# Altium PCB Booster_Main_Board.PcbDoc (part 1 of 13)
Units mm, origin at the board's own origin, x right, y up, seen from the top; angles counter-clockwise.
Board outline 400.01 x 117.51 mm, 4 copper layers (Component Side, Signal Layer 1, Power Plane, Solder Side), stack 1.604 mm thick; 1091 components, 573 nets, 3133 pads, 1954 vias.
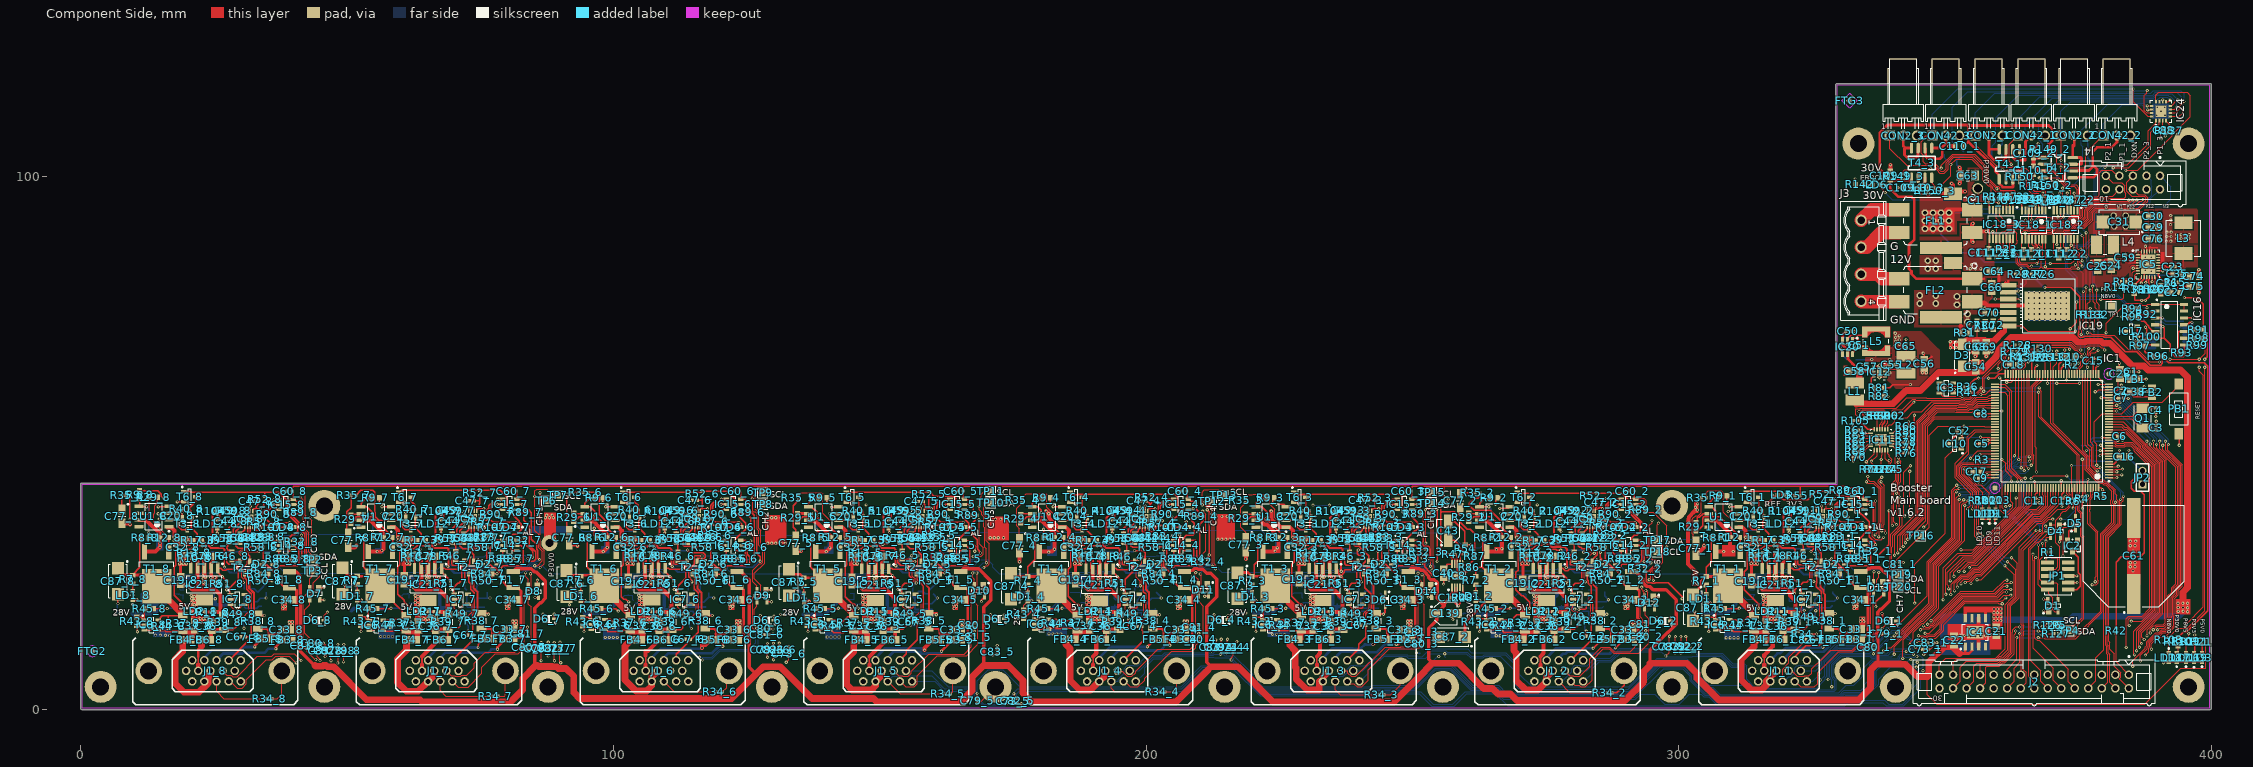
[diagram p0: Component Side view]
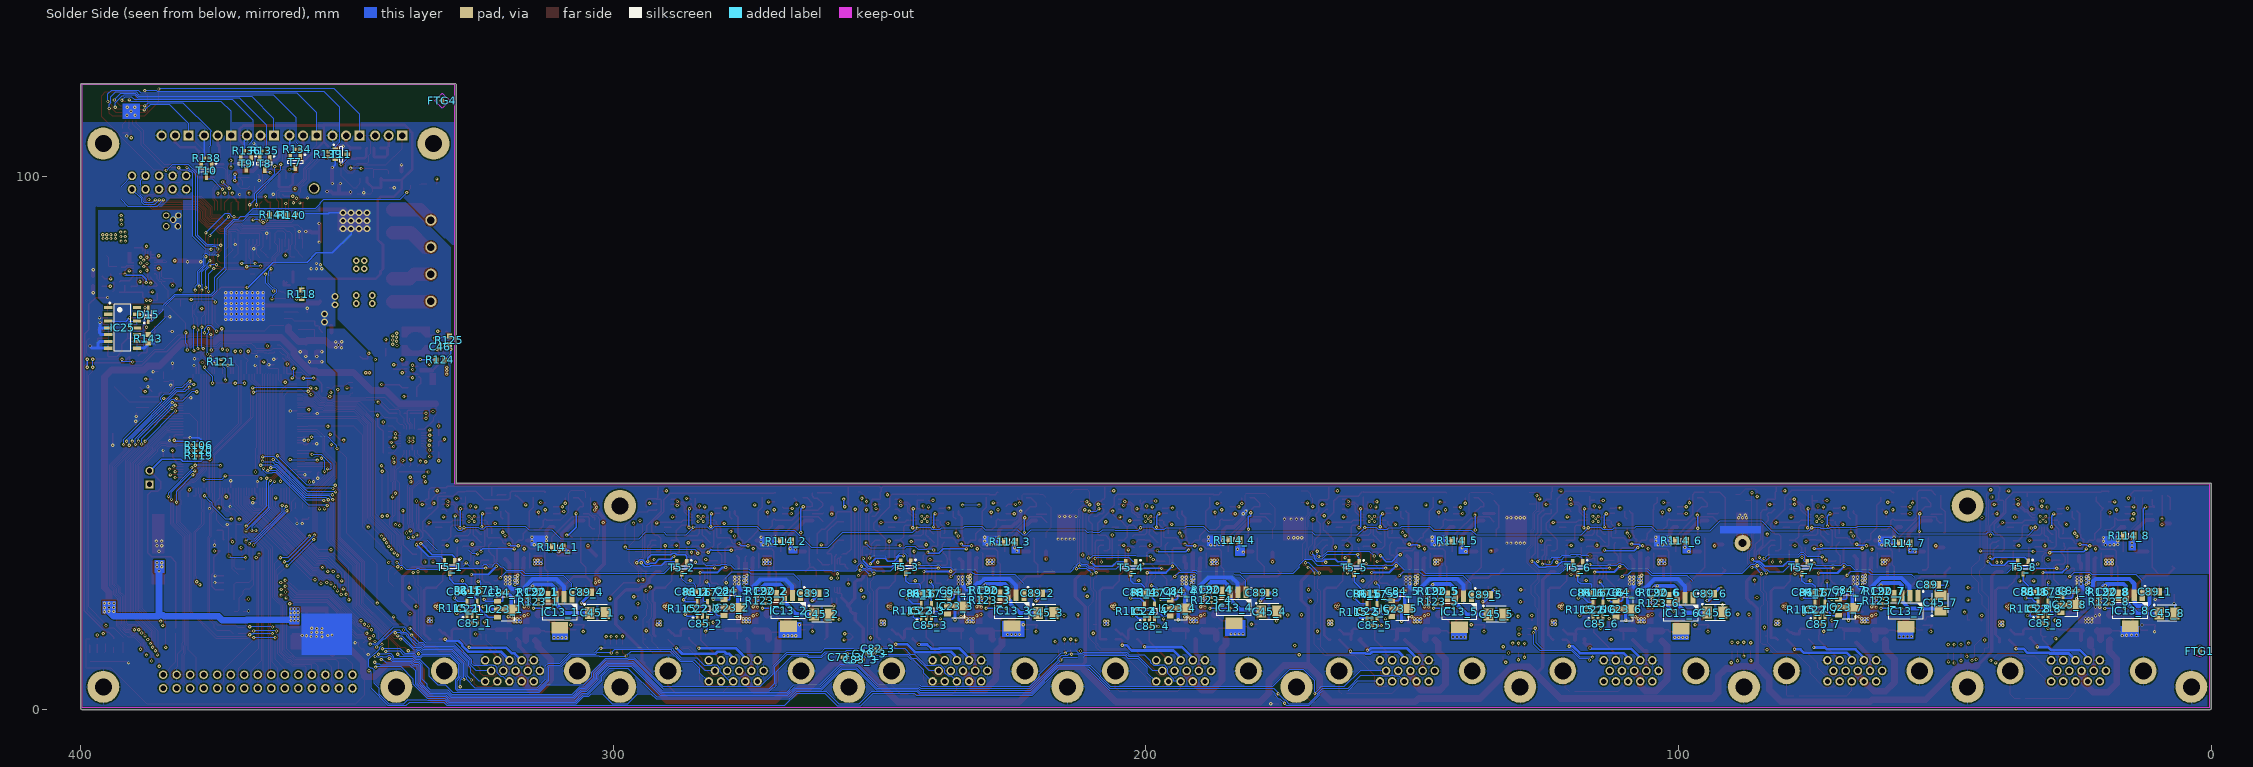
[diagram p1: Solder Side view, seen from below]
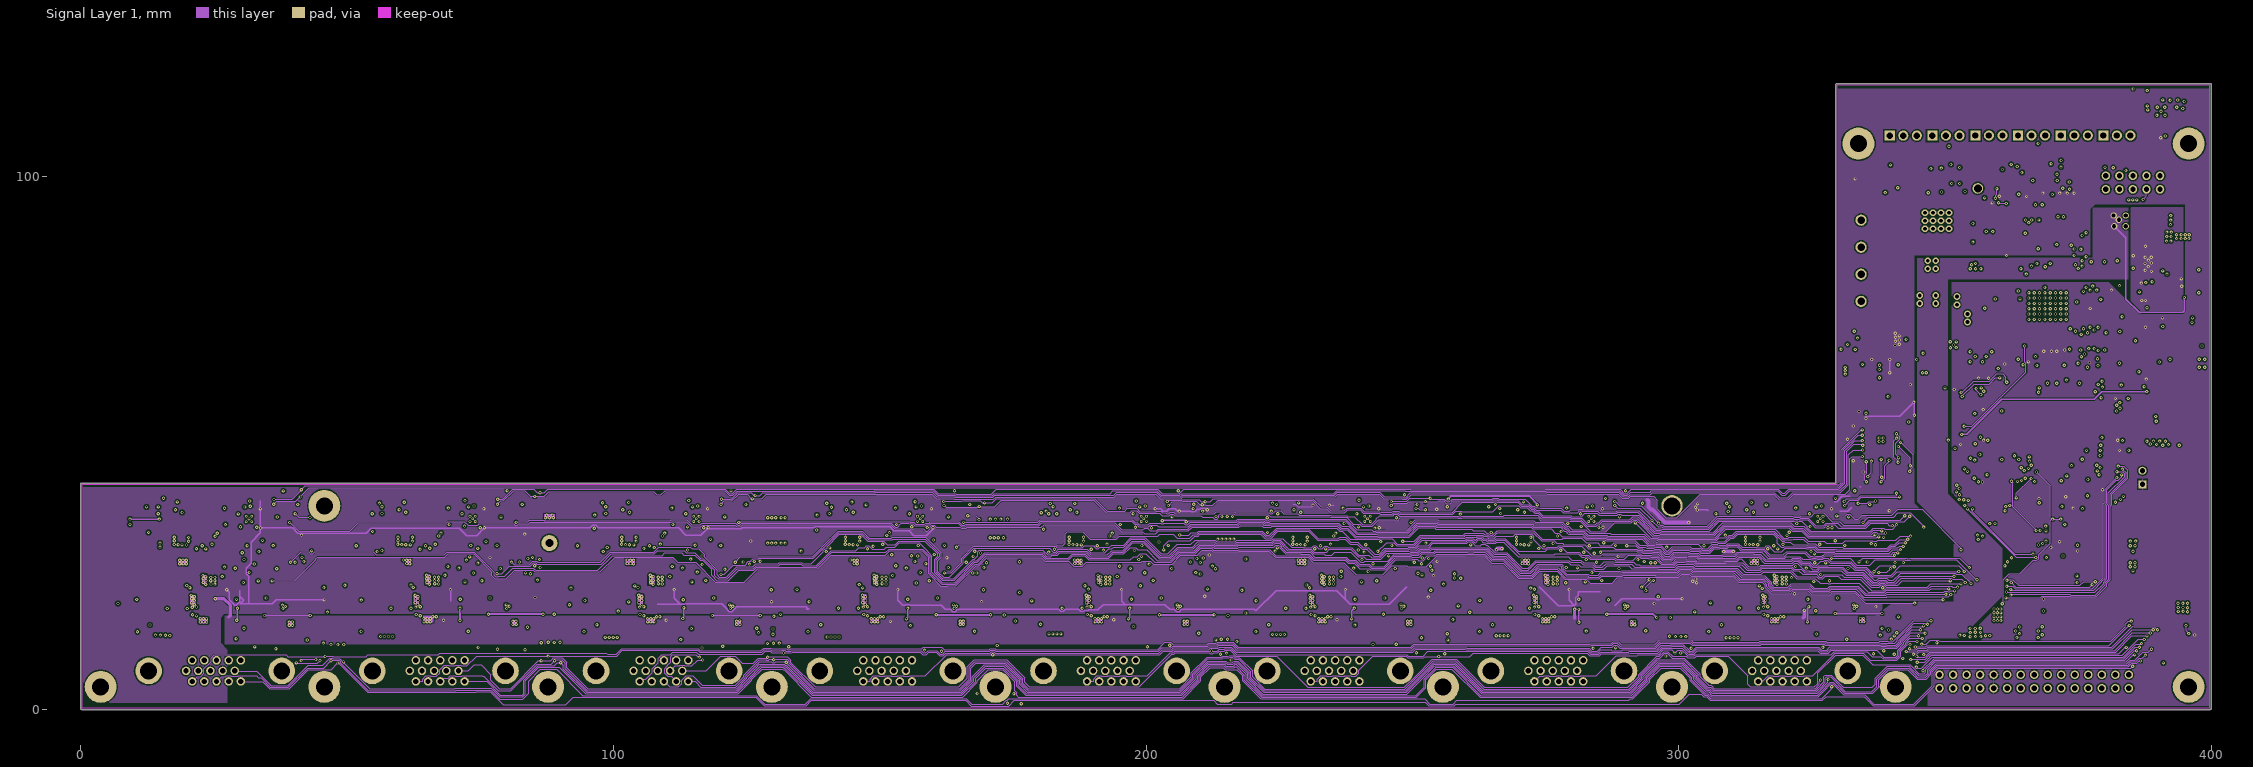
[diagram p2: Signal Layer 1]
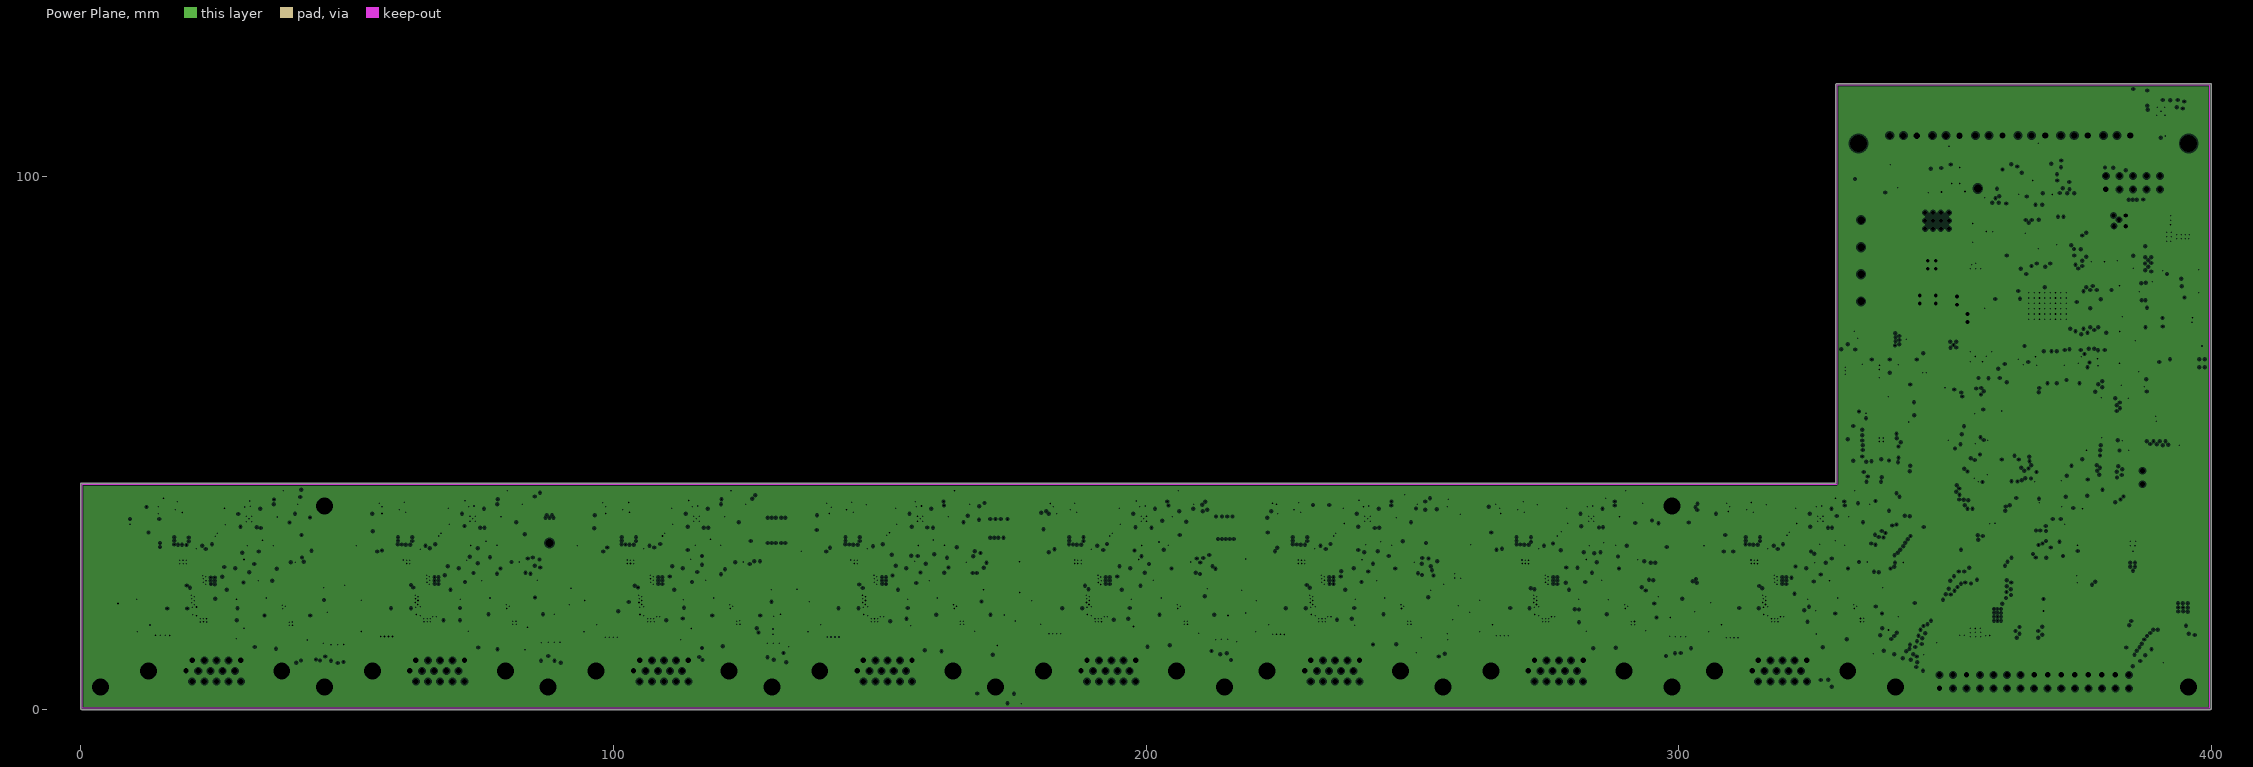
[diagram p3: Power Plane, clearances drawn from the general rule]
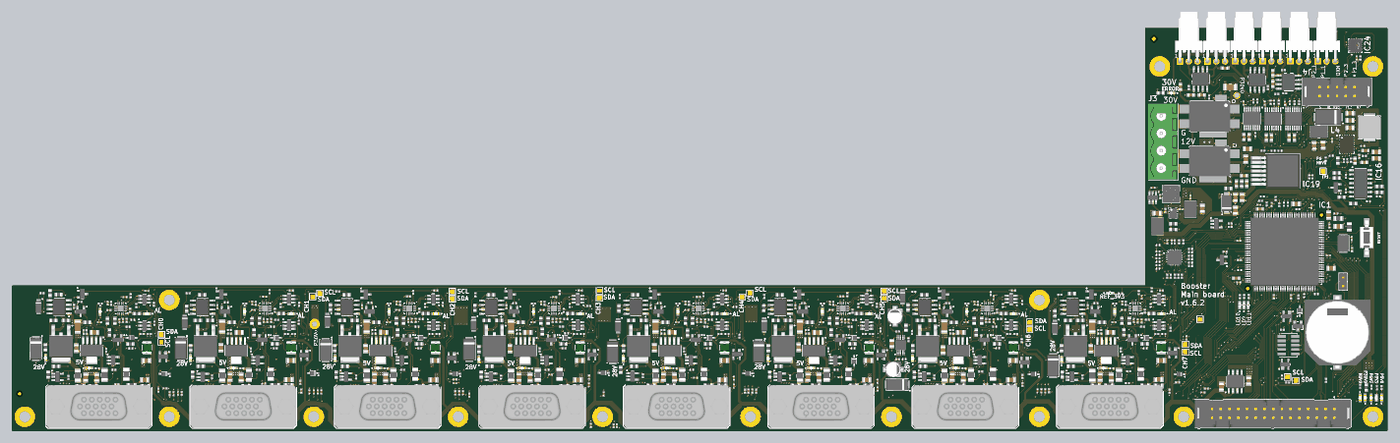
[diagram p16: 3D render of the assembled board from above, using the file's embedded part models]
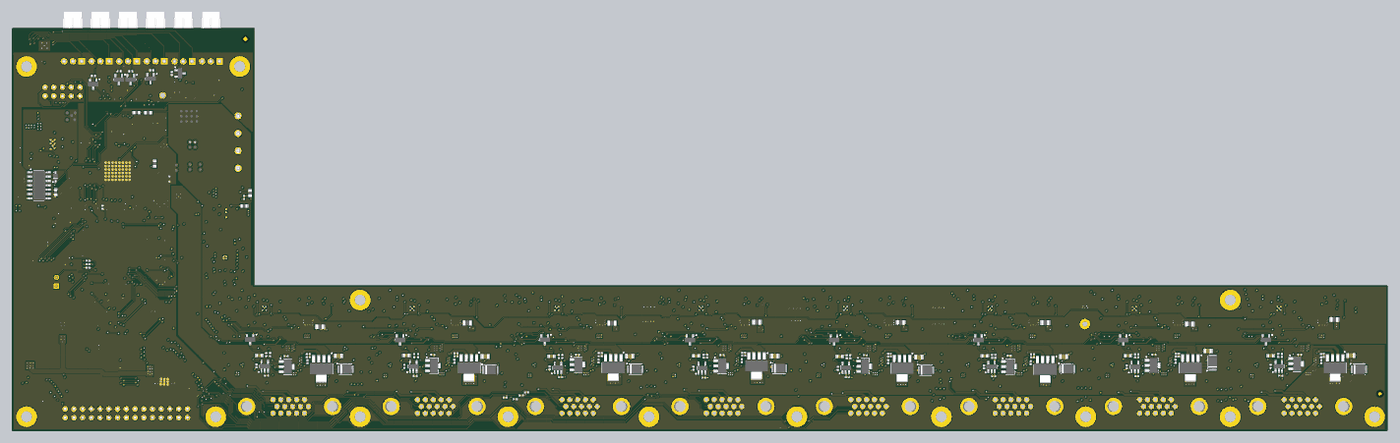
[diagram p17: 3D render of the assembled board from below, using the file's embedded part models]

## Layer stack, top to bottom
Top Solder: solder mask 0.01, Solder Resist, Dk 3.5
Component Side: signal copper 0.056
Dielectric 1: core 0.36, FR-4, Dk 4.8
Signal Layer 1: signal copper 0.036
Dielectric 5: prepreg 0.7, Dk 4.2
Power Plane: plane copper 0.036, net GND
Dielectric 4: core 0.36, Dk 4.2
Solder Side: signal copper 0.056
Bottom Solder: solder mask 0.0102, Solder Resist, Dk 3.5

## Board outline
0.228,0 cw(c0.228,0.254) -0.026,0.254 -0.026,42.254 cw(c0.228,42.254) 0.228,42.508 329.499,42.508 329.499,117.143 cw(c329.728,117.254) 329.728,117.508 399.728,117.508 cw(c399.728,117.254) 399.983,117.254 399.983,0.254 cw(c399.728,0.254) 399.728,0

## Design rules (kind name [scope] priority, off if disabled: settings)
AcuteAngle [All] p1: minimum=6.00000000000000E+0001 checktracksonly=FALSE
Clearance [All] p1: gap=0.152 ignorepadtopadclearanceinfootprint=FALSE except(0.254: SMDPad-Poly THPad-Poly Via-Poly Fill-Poly Poly-Poly Poly-Region Poly-Text Poly-Hole)
ComponentClearance [All] p1: gap=0 collisioncheckmode=3 verticalgap=0 showdistances=FALSE
DiffPairsRouting [All] p1: maxlimit=0.254 minlimit=0.127 mostfreqgap=0.127 toplayer_minwidth=0.127 toplayer_maxwidth=0.381 toplayer_prefwidth=0.254 midlayer1_minwidth=0.127 midlayer1_maxwidth=0.381 midlayer1_prefwidth=0.254 bottomlayer_minwidth=0.127 bottomlayer_maxwidth=0.381 bottomlayer_prefwidth=0.254 maxuncoupledlength=12.7
FabricationTestPointUsage TestPointUsage [All] p1: valid=0 allowmultiple=FALSE
FabricationTestpoint Testpoint [All] p1: side=3 testpointundercomponent=TRUE minsize=1.016 maxsize=2.54 preferedsize=1.524 minholesize=0.508 maxholesize=1.016 preferedholesize=0.813 testpointgrid=0.025 allowsidetop=TRUE allowsidebottom=TRUE usegrid=TRUE gridtolerance=0
HoleSize [All] p1: absolutevalues=TRUE maxlimit=3.81 minlimit=0.025 maxpercent=80.000 minpercent=20.000
HoleToHoleClearance [All] p1: gap=0.203 allowstackedmicrovias=TRUE
MinimumSolderMaskSliver [All] p1: minsoldermaskwidth=0
NetAntennae [All] p1: netantennaetolerance=0.127
PlaneClearance [All] p1: clearance=0.254
PlaneConnect [All] p1: pad.planeconnectstyle=Relief pad.reliefexpansion=0.254 pad.reliefentries=4 pad.reliefconductorwidth=0.254 pad.reliefairgap=0.254 via.planeconnectstyle=Direct via.reliefexpansion=0.508 via.reliefentries=4 via.reliefconductorwidth=0.254 via.reliefairgap=0.254
PolygonConnect PolygonConnect_pad [(InPadClass('All Pads'))] p1: connectstyle=Relief reliefconductorwidth=0.254 reliefentries=4 polygonreliefangle="90 Angle" airgapwidth=0.254
PolygonConnect [All] p2: connectstyle=Direct reliefconductorwidth=0.254 reliefentries=4 polygonreliefangle="45 Angle" airgapwidth=0.254
RoomDefinition Booster_Block_Schematic [InComponentClass('Booster_Block_Schematic')] p1: confinementstyle=ConfineIn formatcopy=TRUE lockcomponents=FALSE outline 401.138,0.118 429.104,0.118 429.104,5.757 401.138,5.757
RoomDefinition U_Booster_TOP [InComponentClass('U_Booster_TOP')] p2: confinementstyle=ConfineIn formatcopy=TRUE lockcomponents=FALSE outline -112.272,-181.746 -61.472,-181.746 -61.472,-156.346 -112.272,-156.346
RoomDefinition U_TEMP_MGT3 [InComponentClass('U_TEMP_MGT3')] p3: confinementstyle=ConfineIn formatcopy=TRUE lockcomponents=FALSE outline -112.272,-181.746 -61.472,-181.746 -61.472,-156.346 -112.272,-156.346
RoomDefinition U_TEMP_MGT2 [InComponentClass('U_TEMP_MGT2')] p4: confinementstyle=ConfineIn formatcopy=TRUE lockcomponents=FALSE outline -112.272,-181.746 -61.472,-181.746 -61.472,-156.346 -112.272,-156.346
RoomDefinition U_TEMP_MGT1 [InComponentClass('U_TEMP_MGT1')] p5: confinementstyle=ConfineIn formatcopy=TRUE lockcomponents=FALSE outline -112.272,-181.746 -61.472,-181.746 -61.472,-156.346 -112.272,-156.346
RoomDefinition U_Power_Supply [InComponentClass('U_Power_Supply')] p6: confinementstyle=ConfineIn formatcopy=TRUE lockcomponents=FALSE outline -112.272,-181.746 -61.472,-181.746 -61.472,-156.346 -112.272,-156.346
RoomDefinition U_PA_Channel7 [InComponentClass('U_PA_Channel7')] p7: confinementstyle=ConfineIn formatcopy=TRUE lockcomponents=FALSE outline -112.272,-181.746 70.478,-181.746 70.478,-157.996 -112.272,-157.996
RoomDefinition U_PA_Channel6 [InComponentClass('U_PA_Channel6')] p8: confinementstyle=ConfineIn formatcopy=TRUE lockcomponents=FALSE outline -112.272,-181.746 70.478,-181.746 70.478,-157.996 -112.272,-157.996
RoomDefinition U_PA_Channel5 [InComponentClass('U_PA_Channel5')] p9: confinementstyle=ConfineIn formatcopy=TRUE lockcomponents=FALSE outline -112.272,-181.746 70.478,-181.746 70.478,-157.996 -112.272,-157.996
RoomDefinition U_PA_Channel4 [InComponentClass('U_PA_Channel4')] p10: confinementstyle=ConfineIn formatcopy=TRUE lockcomponents=FALSE outline -112.272,-181.746 70.478,-181.746 70.478,-157.996 -112.272,-157.996
RoomDefinition U_PA_Channel3 [InComponentClass('U_PA_Channel3')] p11: confinementstyle=ConfineIn formatcopy=TRUE lockcomponents=FALSE outline -112.272,-181.746 70.478,-181.746 70.478,-157.996 -112.272,-157.996
RoomDefinition U_PA_Channel2 [InComponentClass('U_PA_Channel2')] p12: confinementstyle=ConfineIn formatcopy=TRUE lockcomponents=FALSE outline -112.272,-181.746 70.478,-181.746 70.478,-157.996 -112.272,-157.996
RoomDefinition U_PA_Channel1 [InComponentClass('U_PA_Channel1')] p13: confinementstyle=ConfineIn formatcopy=TRUE lockcomponents=FALSE outline -112.272,-181.746 70.478,-181.746 70.478,-157.996 -112.272,-157.996
RoomDefinition U_CPU [InComponentClass('U_CPU')] p14: confinementstyle=ConfineIn formatcopy=TRUE lockcomponents=FALSE outline -112.272,-181.746 -61.472,-181.746 -61.472,-156.346 -112.272,-156.346
RoomDefinition U_PA_Channel8 [InComponentClass('U_PA_Channel8')] p15 off: confinementstyle=ConfineIn formatcopy=TRUE lockcomponents=FALSE outline 53.978,-27.496 236.728,-27.496 236.728,-3.746 53.978,-3.746
RoutingVias RoutingVias_PWR [InNetClass('PWR')] p1: holewidth=0.8 width=1.2 viastyle="Through Hole" minholewidth=0.5 minwidth=0.8 maxholewidth=0.8 maxwidth=1.2
RoutingVias [All] p2: holewidth=0.3 width=0.6 viastyle="Through Hole" minholewidth=0.3 minwidth=0.5 maxholewidth=1 maxwidth=2
SilkToSilkClearance [All] p1: silktosilkclearance=0.05
SilkToSolderMaskClearance SilkscreenOverComponentPads [IsPad] p1: minsilkscreentomaskgap=0.05 clearancetoexposedcopper=TRUE
SolderMaskExpansion [All] p1: expansion=0.051 istentingtop=FALSE
Width [InNetClass('All Nets')] p1: maxlimit=3.81 minlimit=0.152 preferedwidth=0.254
18 further rules are at their usual default settings.

## Classes and differential pairs
component class Booster_Block_Schematic: FTG1 FTG2 FTG3 FTG4
net class Refl_overdrive[7..0]: Refl_overdrive0 Refl_overdrive1 Refl_overdrive2 Refl_overdrive3 Refl_overdrive4 Refl_overdrive5 Refl_overdrive6 Refl_overdrive7
net class Output_overdrive[7..0]: Output_overdrive0 Output_overdrive1 Output_overdrive2 Output_overdrive3 Output_overdrive4 Output_overdrive5 Output_overdrive6 Output_overdrive7
component class U_Power_Supply: C21 C22 C23 C24 C25 C26 C27 C29 C30 C31 C35 C40 C43 C46 C50 C51 C54 C55 C56 C57 C58 C59 C61 C62 C63 C64 C66 C68 C69 C70 C71 C72 C74 C75 C76 C122 C139 D3 D15 FL1 FL2 IC4 IC5 IC8 IC12 IC16 IC17 IC19 IC20 IC25 J3 L1 L2 L3 L4 L5 LD3 LD5 LD6 LD16 LD17 LD18 LD19 R14 R15 R16 R18 R19 R20 R21 R25 R26 R27 R28 R30 R31 R33 R47 R48 R54 R55 R81 R82 R86 R87 R91 R92 R93 R94 R95 R96 R97 R98 R99 R100 R108 R109 R110 R111 R118 R124 R125 R140 R141 R142 R143 TP1 TP16
channel class PA_Channel: U_PA_Channel1 U_PA_Channel2 U_PA_Channel3 U_PA_Channel4 U_PA_Channel5 U_PA_Channel6 U_PA_Channel7 U_PA_Channel8
net class SIG_ON_CH[7..0]: SIG_ON_CH0 SIG_ON_CH1 SIG_ON_CH2 SIG_ON_CH3 SIG_ON_CH4 SIG_ON_CH5 SIG_ON_CH6 SIG_ON_CH7
net class ALERTN_CH[7..0]: ALERTN_CH0 ALERTN_CH1 ALERTN_CH2 ALERTN_CH3 ALERTN_CH4 ALERTN_CH5 ALERTN_CH6 ALERTN_CH7
net class ADC_IN[15..0]: ADC_IN0 ADC_IN1 ADC_IN2 ADC_IN3 ADC_IN4 ADC_IN5 ADC_IN6 ADC_IN7 ADC_IN8 ADC_IN9 ADC_IN10 ADC_IN11 ADC_IN12 ADC_IN13 ADC_IN14 ADC_IN15
component class U_PA_Channel8: C19_8 C20_8 C32_8 C33_8 C34_8 C36_8 C37_8 C39_8 C41_8 C42_8 C44_8 C45_8 C47_8 C48_8 C49_8 C60_8 C67_8 C73_8 C77_8 C78_8 C79_8 C80_8 C81_8 C82_8 C83_8 C84_8 C85_8 C86_8 C87_8 C89_8 C90_8 D2_8 D6_8 F1_8 FB3_8 FB4_8 FB5_8 FB6_8 IC6_8 IC7_8 IC9_8 IC13_8 IC14_8 IC15_8 IC21_8 IC22_8 IC23_8 J1_8 LD1_8 LD2_8 LD4_8 LD12_8 R7_8 R8_8 R9_8 R10_8 R11_8 R12_8 R13_8 R17_8 R29_8 R32_8 R34_8 R35_8 R37_8 R38_8 R39_8 R40_8 R43_8 R44_8 R45_8 R46_8 R49_8 R50_8 R51_8 R52_8 R53_8 R56_8 R57_8 R58_8 R59_8 R83_8 R84_8 R85_8 R88_8 R89_8 R90_8 R104_8 R107_8 R114_8 R115_8 R116_8 R117_8 R122_8 R123_8 T1_8 T2_8 T3_8 T5_8 T6_8 U1_8
component class U_PA_Channel7: C19_7 C20_7 C32_7 C33_7 C34_7 C36_7 C37_7 C39_7 C41_7 C42_7 C44_7 C45_7 C47_7 C48_7 C49_7 C60_7 C67_7 C73_7 C77_7 C78_7 C79_7 C80_7 C81_7 C82_7 C83_7 C84_7 C85_7 C86_7 C87_7 C89_7 C90_7 D2_7 D6_7 F1_7 FB3_7 FB4_7 FB5_7 FB6_7 IC6_7 IC7_7 IC9_7 IC13_7 IC14_7 IC15_7 IC21_7 IC22_7 IC23_7 J1_7 LD1_7 LD2_7 LD4_7 LD12_7 R7_7 R8_7 R9_7 R10_7 R11_7 R12_7 R13_7 R17_7 R29_7 R32_7 R34_7 R35_7 R37_7 R38_7 R39_7 R40_7 R43_7 R44_7 R45_7 R46_7 R49_7 R50_7 R51_7 R52_7 R53_7 R56_7 R57_7 R58_7 R59_7 R83_7 R84_7 R85_7 R88_7 R89_7 R90_7 R104_7 R107_7 R114_7 R115_7 R116_7 R117_7 R122_7 R123_7 T1_7 T2_7 T3_7 T5_7 T6_7 U1_7
component class U_PA_Channel6: C19_6 C20_6 C32_6 C33_6 C34_6 C36_6 C37_6 C39_6 C41_6 C42_6 C44_6 C45_6 C47_6 C48_6 C49_6 C60_6 C67_6 C73_6 C77_6 C78_6 C79_6 C80_6 C81_6 C82_6 C83_6 C84_6 C85_6 C86_6 C87_6 C89_6 C90_6 D2_6 D6_6 F1_6 FB3_6 FB4_6 FB5_6 FB6_6 IC6_6 IC7_6 IC9_6 IC13_6 IC14_6 IC15_6 IC21_6 IC22_6 IC23_6 J1_6 LD1_6 LD2_6 LD4_6 LD12_6 R7_6 R8_6 R9_6 R10_6 R11_6 R12_6 R13_6 R17_6 R29_6 R32_6 R34_6 R35_6 R37_6 R38_6 R39_6 R40_6 R43_6 R44_6 R45_6 R46_6 R49_6 R50_6 R51_6 R52_6 R53_6 R56_6 R57_6 R58_6 R59_6 R83_6 R84_6 R85_6 R88_6 R89_6 R90_6 R104_6 R107_6 R114_6 R115_6 R116_6 R117_6 R122_6 R123_6 T1_6 T2_6 T3_6 T5_6 T6_6 U1_6
component class U_PA_Channel5: C19_5 C20_5 C32_5 C33_5 C34_5 C36_5 C37_5 C39_5 C41_5 C42_5 C44_5 C45_5 C47_5 C48_5 C49_5 C60_5 C67_5 C73_5 C77_5 C78_5 C79_5 C80_5 C81_5 C82_5 C83_5 C84_5 C85_5 C86_5 C87_5 C89_5 C90_5 D2_5 D6_5 F1_5 FB3_5 FB4_5 FB5_5 FB6_5 IC6_5 IC7_5 IC9_5 IC13_5 IC14_5 IC15_5 IC21_5 IC22_5 IC23_5 J1_5 LD1_5 LD2_5 LD4_5 LD12_5 R7_5 R8_5 R9_5 R10_5 R11_5 R12_5 R13_5 R17_5 R29_5 R32_5 R34_5 R35_5 R37_5 R38_5 R39_5 R40_5 R43_5 R44_5 R45_5 R46_5 R49_5 R50_5 R51_5 R52_5 R53_5 R56_5 R57_5 R58_5 R59_5 R83_5 R84_5 R85_5 R88_5 R89_5 R90_5 R104_5 R107_5 R114_5 R115_5 R116_5 R117_5 R122_5 R123_5 T1_5 T2_5 T3_5 T5_5 T6_5 U1_5
component class U_PA_Channel4: C19_4 C20_4 C32_4 C33_4 C34_4 C36_4 C37_4 C39_4 C41_4 C42_4 C44_4 C45_4 C47_4 C48_4 C49_4 C60_4 C67_4 C73_4 C77_4 C78_4 C79_4 C80_4 C81_4 C82_4 C83_4 C84_4 C85_4 C86_4 C87_4 C89_4 C90_4 D2_4 D6_4 F1_4 FB3_4 FB4_4 FB5_4 FB6_4 IC6_4 IC7_4 IC9_4 IC13_4 IC14_4 IC15_4 IC21_4 IC22_4 IC23_4 J1_4 LD1_4 LD2_4 LD4_4 LD12_4 R7_4 R8_4 R9_4 R10_4 R11_4 R12_4 R13_4 R17_4 R29_4 R32_4 R34_4 R35_4 R37_4 R38_4 R39_4 R40_4 R43_4 R44_4 R45_4 R46_4 R49_4 R50_4 R51_4 R52_4 R53_4 R56_4 R57_4 R58_4 R59_4 R83_4 R84_4 R85_4 R88_4 R89_4 R90_4 R104_4 R107_4 R114_4 R115_4 R116_4 R117_4 R122_4 R123_4 T1_4 T2_4 T3_4 T5_4 T6_4 U1_4
component class U_PA_Channel3: C19_3 C20_3 C32_3 C33_3 C34_3 C36_3 C37_3 C39_3 C41_3 C42_3 C44_3 C45_3 C47_3 C48_3 C49_3 C60_3 C67_3 C73_3 C77_3 C78_3 C79_3 C80_3 C81_3 C82_3 C83_3 C84_3 C85_3 C86_3 C87_3 C89_3 C90_3 D2_3 D6_3 F1_3 FB3_3 FB4_3 FB5_3 FB6_3 IC6_3 IC7_3 IC9_3 IC13_3 IC14_3 IC15_3 IC21_3 IC22_3 IC23_3 J1_3 LD1_3 LD2_3 LD4_3 LD12_3 R7_3 R8_3 R9_3 R10_3 R11_3 R12_3 R13_3 R17_3 R29_3 R32_3 R34_3 R35_3 R37_3 R38_3 R39_3 R40_3 R43_3 R44_3 R45_3 R46_3 R49_3 R50_3 R51_3 R52_3 R53_3 R56_3 R57_3 R58_3 R59_3 R83_3 R84_3 R85_3 R88_3 R89_3 R90_3 R104_3 R107_3 R114_3 R115_3 R116_3 R117_3 R122_3 R123_3 T1_3 T2_3 T3_3 T5_3 T6_3 U1_3
component class U_PA_Channel2: C19_2 C20_2 C32_2 C33_2 C34_2 C36_2 C37_2 C39_2 C41_2 C42_2 C44_2 C45_2 C47_2 C48_2 C49_2 C60_2 C67_2 C73_2 C77_2 C78_2 C79_2 C80_2 C81_2 C82_2 C83_2 C84_2 C85_2 C86_2 C87_2 C89_2 C90_2 D2_2 D6_2 F1_2 FB3_2 FB4_2 FB5_2 FB6_2 IC6_2 IC7_2 IC9_2 IC13_2 IC14_2 IC15_2 IC21_2 IC22_2 IC23_2 J1_2 LD1_2 LD2_2 LD4_2 LD12_2 R7_2 R8_2 R9_2 R10_2 R11_2 R12_2 R13_2 R17_2 R29_2 R32_2 R34_2 R35_2 R37_2 R38_2 R39_2 R40_2 R43_2 R44_2 R45_2 R46_2 R49_2 R50_2 R51_2 R52_2 R53_2 R56_2 R57_2 R58_2 R59_2 R83_2 R84_2 R85_2 R88_2 R89_2 R90_2 R104_2 R107_2 R114_2 R115_2 R116_2 R117_2 R122_2 R123_2 T1_2 T2_2 T3_2 T5_2 T6_2 U1_2
component class U_PA_Channel1: C19_1 C20_1 C32_1 C33_1 C34_1 C36_1 C37_1 C39_1 C41_1 C42_1 C44_1 C45_1 C47_1 C48_1 C49_1 C60_1 C67_1 C73_1 C77_1 C78_1 C79_1 C80_1 C81_1 C82_1 C83_1 C84_1 C85_1 C86_1 C87_1 C89_1 C90_1 D2_1 D6_1 F1_1 FB3_1 FB4_1 FB5_1 FB6_1 IC6_1 IC7_1 IC9_1 IC13_1 IC14_1 IC15_1 IC21_1 IC22_1 IC23_1 J1_1 LD1_1 LD2_1 LD4_1 LD12_1 R7_1 R8_1 R9_1 R10_1 R11_1 R12_1 R13_1 R17_1 R29_1 R32_1 R34_1 R35_1 R37_1 R38_1 R39_1 R40_1 R43_1 R44_1 R45_1 R46_1 R49_1 R50_1 R51_1 R52_1 R53_1 R56_1 R57_1 R58_1 R59_1 R83_1 R84_1 R85_1 R88_1 R89_1 R90_1 R104_1 R107_1 R114_1 R115_1 R116_1 R117_1 R122_1 R123_1 T1_1 T2_1 T3_1 T5_1 T6_1 U1_1
component class U_CPU: C1 C2 C3 C4 C5 C6 C7 C8 C9 C10 C11 C12 C13 C14 C15 C16 C17 C18 C28 C38 D1 D4 D5 FB1 FB2 IC1 IC2 IC3 JP1 JP2 LD9 LD10 LD11 PB1 Q1 R1 R2 R3 R4 R5 R6 R36 R41 R42 R101 R102 R103 R106 R112 R113 R119 R120 R121 R132 R133
component class U_Booster_TOP: C52 C53 C65 C88 D7 D8 D9 D10 D11 D12 D13 D14 IC10 IC11 IC24 J2 J4 J? R22 R23 R24 R60 R61 R62 R63 R64 R65 R66 R67 R68 R69 R70 R71 R72 R73 R74 R75 R76 R77 R78 R79 R80 R105 R126 R127 R128 R129 R130 R131 R134 R135 R136 R137 R138 R139 T7 T8 T9 T10 T11 TP2 TP3 TP4 TP5 TP6 TP7 TP8 TP9 TP10 TP11 TP12 TP13 TP14 TP15 TP17 TP18 TP19 TP20
net class EN_PWR_CH[7..0]: EN_PWR_CH0 EN_PWR_CH1 EN_PWR_CH2 EN_PWR_CH3 EN_PWR_CH4 EN_PWR_CH5 EN_PWR_CH6 EN_PWR_CH7
component class U_TEMP_MGT1: C109_1 C110_1 C111_1 C112_1 C113_1 CON2_1 CON42_1 IC18_1 R147_1 R148_1 R149_1 R150_1 T4_1
component class U_TEMP_MGT2: C109_2 C110_2 C111_2 C112_2 C113_2 CON2_2 CON42_2 IC18_2 R147_2 R148_2 R149_2 R150_2 T4_2
component class U_TEMP_MGT3: C109_3 C110_3 C111_3 C112_3 C113_3 CON2_3 CON42_3 IC18_3 R147_3 R148_3 R149_3 R150_3 T4_3
net class FAN: FANn OVERn PWM1 PWM1_2 PWM1_3 PWM2 PWM2_2 PWM2_3 TACH1 TACH1_2 TACH1_3 TACH2 TACH2_2 TACH2_3 THERMn
channel class TEMP_MGT: U_TEMP_MGT1 U_TEMP_MGT2 U_TEMP_MGT3
